# Altium PCB PCB1.PcbDoc (continued)
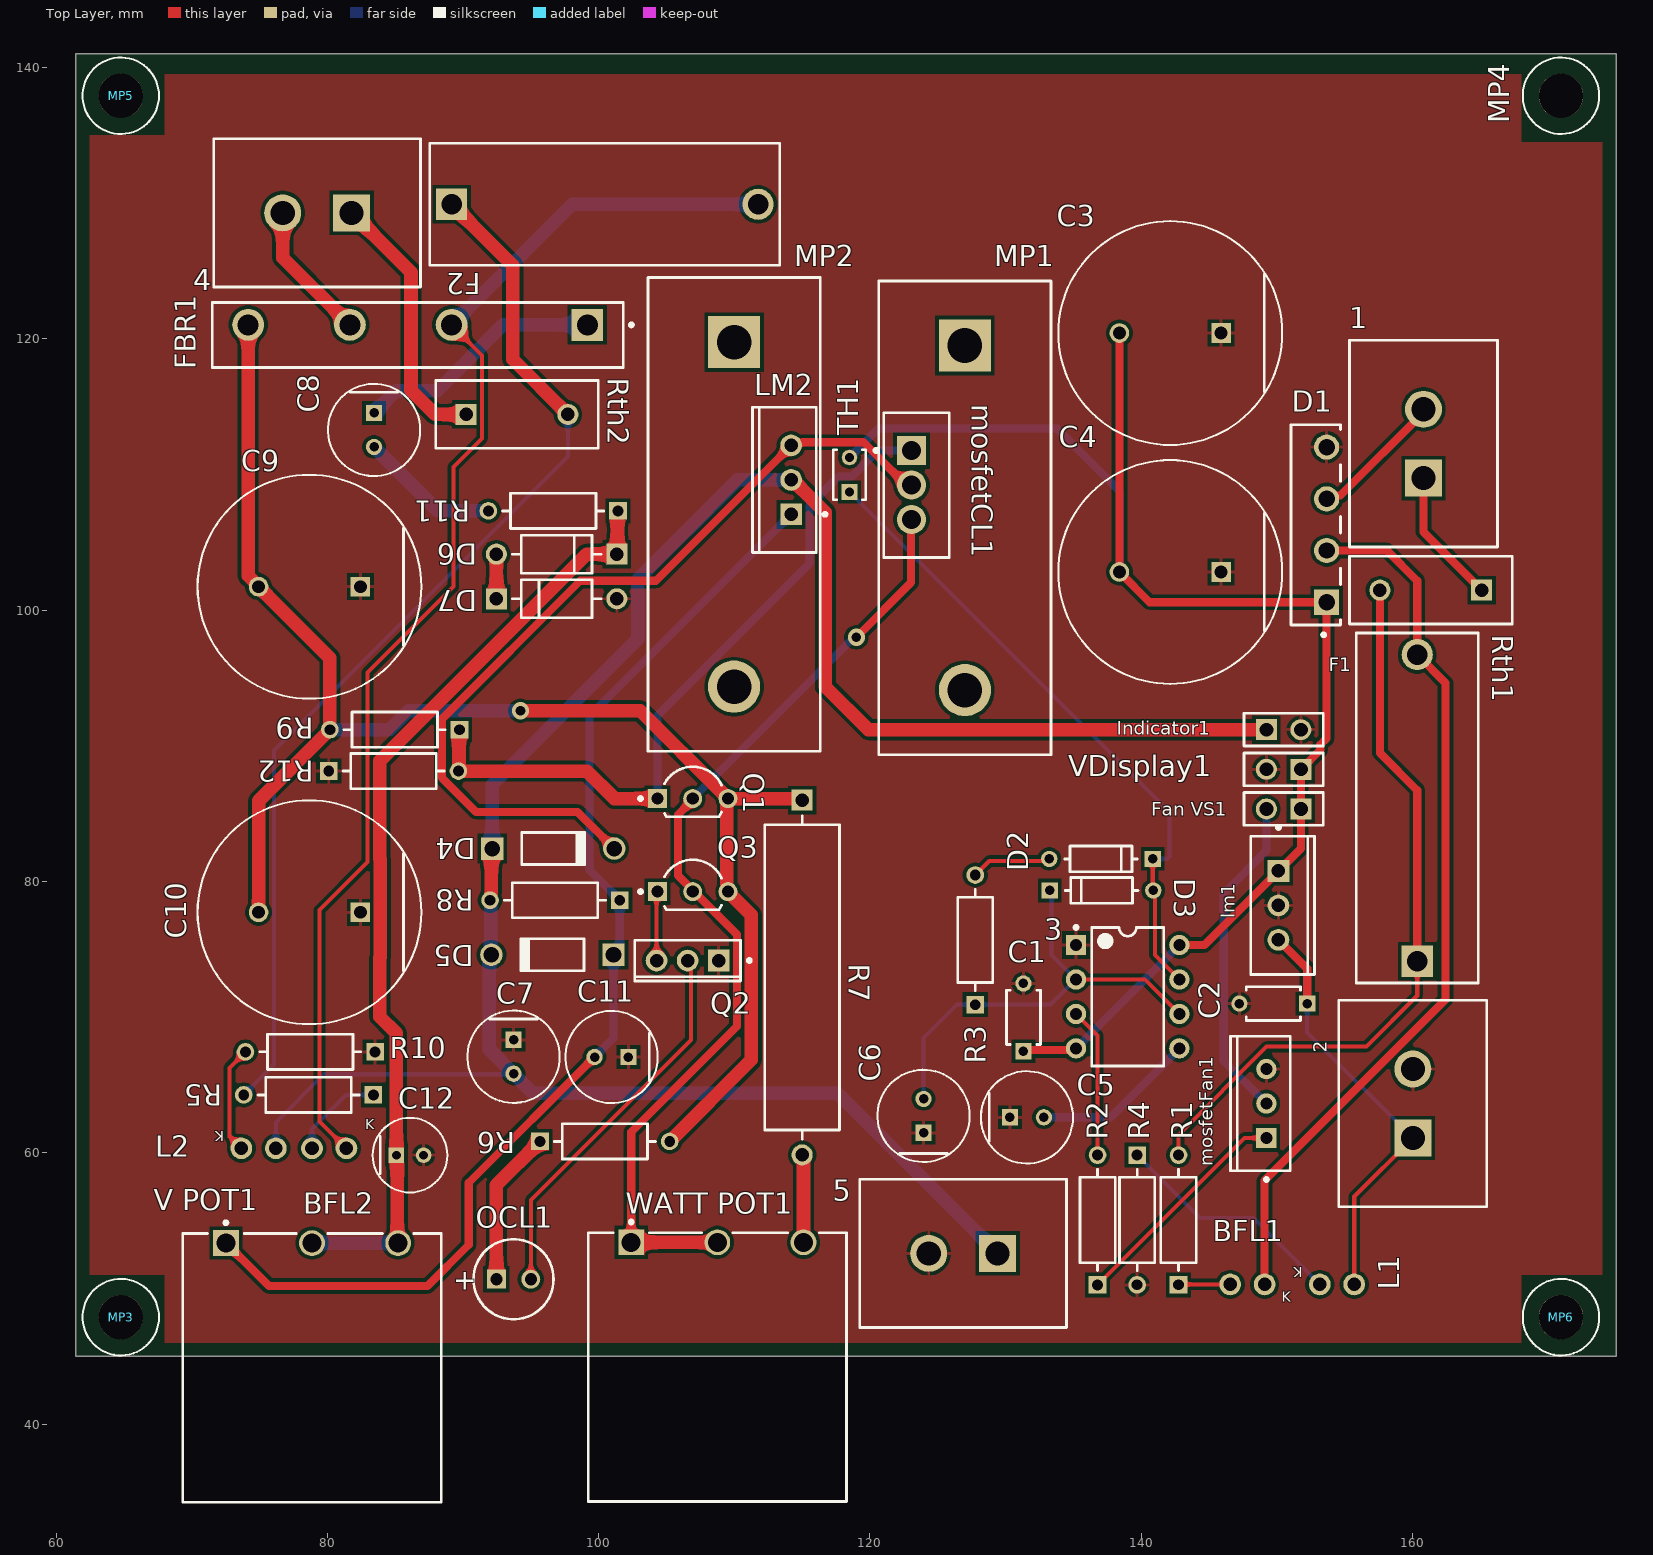
[diagram p0: Top Layer view]
## Part data
1 2 4 5: library part CMP-03369-000078-1, "CONN HEADER VERT 2POS 5.08MM", Current Rating=12A, Manufacturer="TE Connectivity", Temperature="-55°C to +105°C", Temperature Range High=+105°C, Temperature Range Low=-55°C, Voltage Rating=250V, Automotive=No, Category=Conn, ComponentLink2Description=Datasheet, ComponentLink2URL=https://www.te.com/usa-en/product-350539-1.html?te_bu=Cor&te_type=other&te_campaign=oct_glo_cor-oct-global-oth-prtnr-fy19-oct-octo-buy-bom_sma-298_2&elqCampaignId=35216, Conn Gender=Male, Conn Orientation=Vertical, Contact Material=Gold,Nickel, Device Class L1=Connectors, Device Class L2="Headers and Wire Housings", Device Class L3=unset, Digikey Description="CONN HEADER VERT 2POS 5.08MM", Height=0.41inch, Lead Free=Yes, Manufacturer Part Number=350539-1, Mouser Description="Pin & Socket Connectors CONN PCM 2 POS TIN", Number of Contacts=2, Number of Rows=1, Octopart=https://octopart.com/350539-1-te+connectivity-46510628, Package=350539-1, Pitch=5.08mm, RoHS=TRUE, Standoff Height=0.025inch
3: library part CMP-2000-04954-1, "Precision Timer, 4.5 to 16 V, 0 to 70 degC, 8-Pin DIP, Pb-Free, Tube", Manufacturer=TexasInstruments, Maximum High Level Output Current=-200mA, Maximum Low Level Output Current=200mA, Operating Supply Voltage=5, Package=8PDIP, Package Description="8-Pin Double In-line Package, Body 9.59 x 6.35 mm, Pitch 2.54 mm", Package Reference=P8, Category=Timer, Datasheet URL=http://www.ti.com/general/docs/lit/getliterature.tsp?genericPartNumber=NE555&fileType=pdf, Datasheet Version="Rev. I, 09/2014", Manufacturer URL=http://www.ti.com/, Number of Internal Timers=1, Package URL=http://www.ti.com/lit/ml/mpdi001b/mpdi001b.pdf, Packaging=Rail/Tube, Rad Hard=No, Type=Standard
BFL1 BFL2: library part CMP-1488-00005-1, "THT LED round mono-color color lens, WL-TMRW, Super Red", Emitting Color="Super Red", Manufacturer="Wuerth Elektronik", PartNumber=151031SS04000, ComponentLink1Description="Manufacturer URL", ComponentLink1URL=http://www.we-online.com, ComponentLink2Description=Datasheet, ComponentLink2URL=http://katalog.we-online.de/pbs/datasheet/7448042001.pdfhttp://katalog.we-online.de/pbs/datasheet/7448042001.pdfhttp://katalog.we-online.de/pbs/datasheet/7448042001.pdfhttp://katalog.we-online.de/pbs/datasheet/151031SS04000.pdf, PackageReference="Type 3mm"
C1 C2: library part CMP-06035-051680-1, "Ceramic Capacitor 100nF ±10% 50V X7R Radial", Capacitance=100nF, Case/Package=Radial, Dielectric=X7R, Max Operating Temperature=125°C, Min Operating Temperature=-55°C, Package Quantity=2000, Resistor Type=Ceramic, Tolerance=10%, Voltage Rating=50V, Height=3.5mm, Height - Seated (Max)=0.236inch, Lead Diameter=0.5mm, Lead Free="Lead Free", Lead Pitch=0.197inch, Lead/Base Style=Kinked, Length=0.157inch, Mount="Through Hole", Packaging="Tape and Reel", Termination=Radial, Voltage Rating (DC)=50V, Width=3.5mm
C3 C4 C9 C10: library part CMP-33768-000005-1, "CAP ALUM 2200UF 20% 50V RADIAL", Case/Package=Radial, ESR (Equivalent Series Resistance)=20mR, Leakage Current=4uA, Max Operating Temperature=125°C, Min Operating Temperature=-40°C, Package Quantity=250, Ripple Current=3.72A, Tolerance=20%, Voltage=50V, Capacitance=2.2mF, Diameter=16mm, Height - Seated (Max)=1.634inch, Lead Diameter=0.8mm, Lead Free="Lead Free", Lead Pitch=7.5mm, Length=40mm, Life (Hours)=5000Hour, Mount="Through Hole", Number of Pins=40, Packaging=Bulk, Polarity=Polar, Radiation Hardening=No, Termination=Radial, Voltage Rating=50V, Voltage Rating (DC)=50V
C5 C6 C7 C8 C11: library part CMP-05427-002176-1, "CAP ALUM 1UF 20% 160V RADIAL", Capacitance=1uF, Case/Package=Radial, Max Operating Temperature=105°C, Min Operating Temperature=-25°C, Package Quantity=2000, Ripple Current=17mA, Tolerance=20%, Voltage Rating=160V, Diameter=6.3mm, Height=11.2mm, Height - Seated (Max)=0.48inch, Lead Pitch=2.5mm, Lead/Base Style=Straight, Length=11.2mm, Life (Hours)=2000Hour, Mount="Through Hole", Packaging="Ammo Pack", Radiation Hardening=No, RoHS Compliant=Yes, Series=NHG, Termination=Radial, Voltage Rating (DC)=160V
C12: library part CMP-05427-000663-1, "Aluminum Electrolytic Capacitors (Radial Lead Type) 33uF ±20% 10V", Capacitance=33uF, Case/Package=Radial, Inductance Tolerance=20%, Leakage Current=3.3uA, Max Operating Temperature=105°C, Min Operating Temperature=-55°C, Package Quantity=200, Ripple Current=50mA, Voltage=10V, Construction=RADIAL, Diameter=5mm, Height=7mm, Height - Seated (Max)=0.276inch, Lead Pitch=2mm, Length=7mm, Life (Hours)=1000Hour, Mount="Through Hole", Packaging=Bulk, Radiation Hardening=No, REACH SVHC="No SVHC", Ripple Current (AC)=50mA, RoHS Compliant=Yes, Series=GA, Termination=Radial, Tolerance=20%, Voltage Rating=10V, Voltage Rating (DC)=10V
D1: library part CMP-12791-000035-1, "BRIDGE RECT 1PHASE 600V 2A KBP", Capacitance=25pF, Forward Current=2A, Manufacturer="Diodes Inc.", Manufacturer Part Number=KBP206G, Max Junction Temp=+150°C, Max Repetitive Reverse Voltage=600V, Max Surge Forward Current=65A, Package=KBP, Peak Reverse Current=5uA, Temperature="-65°C to +150°C", Temperature Range Low=-65°C, Automotive=No, Category=Diode, ComponentLink2Description=Datasheet, ComponentLink2URL=https://www.diodes.com/assets/Datasheets/ds21205.pdf, Device Class L1="Discrete Semiconductors", Device Class L2=Diodes, Device Class L3="Rectifier Diodes", Digikey Description="BRIDGE RECT 1PHASE 600V 2A KBP", Footprint Url=https://www.diodes.com/assets/Package-Files/KBP.pdf, Height=12.8mm, Lead Free=Yes, Mouser Description="Bridge Rectifiers 2.0A 600V", Octopart=https://octopart.com/kbp206g-diodes+inc.-330175, Reverse Voltage=600V, RoHS=TRUE, Standoff Height=1.8mm, Temperature Range High=+150°C
D2 D3: library part CMP-07163-000046-1, "DIODE GEN PURP 100V 200MA DO35", Average Rectified Current=200mA, Capacitance=4pF, Case/Package=DO-35, Current=4A, Forward Current=300mA, Forward Voltage=1V, Max Forward Surge Current (Ifsm)=1A, Max Operating Temperature=175°C, Max Power Dissipation=500mW, Max Repetitive Reverse Voltage (Vrrm)=100V, Max Reverse Current=5uA, Min Operating Temperature=-65°C, Package Quantity=2000, Contact Plating=Tin, Current Rating=200mA, Diameter=1.91mm, Element Configuration=Single, Height=4.56mm, Lead Free="Lead Free", Length=4.56mm, Max Reverse Voltage (DC)=100V, Max Surge Current=4A, Mount="Through Hole", Number of Pins=2, Output Current=200mA, Outside Diameter=1.85mm, Packaging=Bulk, Peak Non-Repetitive Surge Current=4A, Polarity=Standard, Power Dissipation=500mW, Radiation Hardening=No, REACH SVHC="No SVHC", Recovery Time=4ns, Reverse Recovery Time=4ns, Reverse Voltage=100V, Series=-, Voltage=100V, Voltage Rating (DC)=100V, Weight=0.01lb, Width=1.91mm
D4 D5: library part CMP-0639-00002-2, "1.0 A Rectifier, 15 pF, 100 V, -65 to 150 degC, 2-Pin DO-41 Plastic, RoHS, Tape and Reel", Manufacturer="Diodes Inc", Max. Average Rectified Current IO (A)=1, Operating Temperature Range (degC)="-65 to 150", ComponentLink1Description="Manufacturer URL", ComponentLink1URL=http://diodes.com/, ComponentLink2Description=Datasheet, ComponentLink2URL=http://diodes.com/datasheets/ds28002.pdf, CT (pF)=15, DatasheetVersion="Rev. 8-2", Max. IFSM (A)=30, Max. IR (uA)=5, Mounting Technology="Through Hole", PackageDescription="2-Pin Axial Lead, Body 4.635 x 2.36 mm, Lead Spread 25.4 mm", PackageReference=DO-41-P-2, Packing="Tape and Reel", PartNumber=1N4002-T, RoHS=TRUE, VF (V)=1, VRRM (V)=100
D6 D7: library part CMP-123542-000001-1, "Rectifier diode 1000 V 1 A DO-41, ,", Capacitance=15pF, Forward Current=1A, Manufacturer=Diotec, Max Junction Temp=+175°C, Max Repetitive Reverse Voltage=1000V, Max Surge Forward Current=27A, Peak Reverse Current=5uA, Temperature="-50°C to +175°C", Temperature Range Low=-50°C, Automotive=No, Category=Diode, ComponentLink2Description=Datasheet, ComponentLink2URL=https://datasheet.octopart.com/1N4007-Diotec-datasheet-62346875.pdf, Device Class L1="Discrete Semiconductors", Device Class L2=Diodes, Device Class L3="Rectifier Diodes", Height=2.8mm, Ipc Land Pattern Name=DIOAD888W100L520D280, Lead Free=Yes, Manufacturer Part Number=1N4007, Octopart=https://octopart.com/1n4007-diotec-4040411, Package=1N4007, Reverse Voltage=1000V, RoHS=TRUE, Temperature Range High=+175°C
F1 F2: library part CMP-08604-000020-1, "FUSE BLOCK CART 250V 6.3A PCB", Fuse Current=6.3A, Manufacturer="Littelfuse Inc", Package=0, Voltage Rating Ac=250V, Automotive=No, Category=Fuse, ComponentLink2Description=Datasheet, ComponentLink2URL=https://www.littelfuse.com/~/media/electronics/datasheets/fuse_blocks/littelfuse_fuse_block_646_datasheet.pdf.pdf, Conn Orientation=Horizontal, Device Class L1="Circuit Protection", Device Class L2="Fuse Holders", Device Class L3=unset, Digikey Description="FUSE BLOCK CART 250V 6.3A PCB", Height=12mm, Lead Free=Yes, Manufacturer Part Number=64600001223, Mouser Description="Fuse Holder Screw Mount Bulk", Number Of Fuses=1, Octopart=https://octopart.com/64600001223-littelfuse-39645661, RoHS=TRUE, Voltage Rating Dc=250V
"Fan VS1" VDisplay1: library part CMP-1023-00275-1, "SQ Post Socket, Through-hole, Vertical, -55 to 125 degC, 2.54 mm Pitch, 2-Pin, Female, RoHS", Manufacturer=Samtec, Temperature Range="-55 to 125 degC", ComponentLink1Description="Manufacturer URL", ComponentLink1URL=http://www.samtec.com, ComponentLink2Description=Datasheet, ComponentLink2URL=http://www.samtec.com/documents/webfiles/pdf/SSQ_TH.PDF, ComponentLink3Description="Package Specification", ComponentLink3URL=http://www.samtec.com/documents/webfiles/cpdf/SSQ-1XX-XX-XXX-X-XX-XXX-XX-X-MKT.pdf, DatasheetVersion=F-214, Mounting Technology=Through-hole, Orientation=Vertical, PackageDescription="Assembly, Socket Strip .025[0.64] SQ Tail", PackageReference=SSQ-102-01-X-S, PackageVersion="BD, 6/1987", PartNumber=SSQ-102-01-G-S, Pitch="2.54 mm", RoHS=True
FBR1: library part CMP-02540-000115-1, "BRIDGE RECT 1P 800V 3.5A GSIB-5S", Average Rectified Current=3.5A, Case/Package=SIP, Current=25A, Current Rating=20A, Forward Voltage=1V, Max Forward Surge Current (Ifsm)=350A, Max Operating Temperature=150°C, Max Repetitive Reverse Voltage (Vrrm)=800V, Max Reverse Current=10uA, Min Operating Temperature=-55°C, Package Quantity=20, Voltage=200V, Element Configuration=Single, Forward Current=3.5A, Height=20mm, Lead Free="Lead Free", Length=30mm, Max Reverse Leakage Current=10uA, Max Surge Current=350A, Mount="Through Hole", Number of Elements=1, Number of Pins=4, Packaging=Rail/Tube, Peak Non-Repetitive Surge Current=350A, Radiation Hardening=No, RoHS Compliant=Yes, Series=-, Width=4.6mm
Indicator1: library part CMP-1023-00275-1, "SQ Post Socket, Through-hole, Vertical, -55 to 125 degC, 2.54 mm Pitch, 2-Pin, Female, RoHS", Manufacturer=Samtec, PartNumber=SSQ-102-01-G-S, Temperature Range="-55 to 125 degC", ComponentLink1Description="Manufacturer URL", ComponentLink1URL=http://www.samtec.com, ComponentLink2Description=Datasheet, ComponentLink2URL=http://www.samtec.com/documents/webfiles/pdf/SSQ_TH.PDF, ComponentLink3Description="Package Specification", ComponentLink3URL=http://www.samtec.com/documents/webfiles/cpdf/SSQ-1XX-XX-XXX-X-XX-XXX-XX-X-MKT.pdf, DatasheetVersion=F-214, Mounting Technology=Through-hole, Orientation=Vertical, PackageDescription="Assembly, Socket Strip .025[0.64] SQ Tail", PackageReference=SSQ-102-01-X-S, PackageVersion="BD, 6/1987", Pitch="2.54 mm", RoHS=True
L1 L2: library part CMP-1488-00004-1, "THT LED round mono-color color lens, WL-TMRC , Bright Green", Emitting Color="Bright Green", Manufacturer="Wuerth Elektronik", PartNumber=151031VS06000, ComponentLink1Description="Manufacturer URL", ComponentLink1URL=http://www.we-online.com, ComponentLink2Description=Datasheet, ComponentLink2URL=http://katalog.we-online.de/pbs/datasheet/7448042001.pdfhttp://katalog.we-online.de/pbs/datasheet/7448042001.pdfhttp://katalog.we-online.de/pbs/datasheet/7448042001.pdfhttp://katalog.we-online.de/pbs/datasheet/151031VS06000.pdf, PackageReference="Type 3mm"
lm1: library part CMP-2000-04937-1, "Positive Voltage Regulator, 5 V, 1 A, 0 to 125 degC, 3-Pin TO-220, RoHS, Tube", Dropout Voltage Measurement Current=1A, Manufacturer=Fairchild, Maximum Input Voltage=35V, Maximum Operating Temperature=+125degC, Minimum Operating Temperature=0degC, Output Voltage=5V, Package Description="3-Pin Through Hole Device, Body 10 x 4.5 mm, Pitch 2.54 mm", Package Reference=TO-220, Quiescent Current=6mA, Typical Dropout Voltage @ Current=2V@1A, Datasheet URL=https://datasheet.ciiva.com/5816/1359194-5816420.pdf, Datasheet Version="Rev. 1.0.1, 05/2006", Dimensions=10.67x4.83x16.51mm, Height=16.51mm, Length=10.67mm, Line Regulation=50mV, Load Regulation=100mV, Manufacturer URL=https://www.fairchildsemi.com/, Maximum Output Current=1A, Mounting Type=ThroughHole, Number of Outputs=1, Output Type=Fixed, Package Type=TO-220, Package URL=https://www.fairchildsemi.com/package-drawings/TO/TO220B03.pdf, Pin Count=3, Polarity=Positive, Regulator Function=Linear, Series=LM78xx, Width=4.83mm
LM2: library part CMP-0062-02474-3, "5 Amp Adjustable Regulator, 3-pin TO-220, Pb-Free", Manufacturer="Texas Instruments", PackageTopMarking="NSUZXYTTE#*LM338T P+", PowerWise=N, ComponentLink1Description="Datasheet URL", ComponentLink1URL=http://www.ti.com/general/docs/lit/getliterature.tsp?genericPartNumber=LM338&fileType=pdf, CompType="LDO IC", PackageDescription="TO-220, Molded, 3 Lead, Straight", PackageReference=NDE0003A, PinCount=3, RoHS=Y
mosfetCL1: library part CMP-32901-001325-1, "MOSFET P-CH 100V 38A TO262", Case/Package=TO-262, Continuous Drain Current (ID)=38A, Drain to Source Breakdown Voltage=-100V, Drain to Source Resistance=60mR, Gate to Source Voltage (Vgs)=20V, Input Capacitance=2.78nF, Max Operating Temperature=150°C, Max Power Dissipation=3.1W, Min Operating Temperature=-55°C, Power Dissipation=170W, Threshold Voltage=4V, Drain to Source Voltage (Vdss)=-100V, Halogen Free="Halogen Free", Height=0.38inch, Lead Free="Contains Lead", Length=0.42inch, Max Dual Supply Voltage=-100V, Mount="Through Hole", Number of Pins=3, Packaging=Rail/Tube, Polarization=P, Rds On Max=60mR, Reach SVHC Compliant=Yes, RoHS Compliant=Yes, Series=HEXFET®, Turn-Off Delay Time=72ns, Turn-On Delay Time=14ns, Width=0.19inch
mosfetFan1: library part CMP-2000-04997-1, "HEXFET(R) Power N-Channel MOSFET, 55 V, 110 A, -55 to 117 degC, 3-Pin TO-220AB, RoHS, Rail/Tube", Manufacturer="International Rectifier", Maximum Continuous Drain Current=110A, Maximum Drain Source Resistance=0.008Ω, Maximum Drain Source Voltage=55V, Maximum Gate Source Voltage=±20V, Maximum Gate Threshold Voltage=4V, Maximum Operating Temperature=+175degC, Maximum Power Dissipation=200W, Minimum Gate Threshold Voltage=2V, Minimum Operating Temperature=-55degC, Package Description="3-Pin Plastic (Green) Transistor Single Outline Package, 9.9 x 9.2 mm Body, 2.54 mm Pitch", Package Reference=PG-TO-220AB, Package Type=TO-220AB, Package Version=Feb-04, Typical Input Capacitance @ Vds=3247pF@25V, Category=PowerMOSFET, Channel Mode=Enhancement, Channel Type=N, Datasheet URL=http://datasheet.octopart.com/IRF3205PBF-International-Rectifier-datasheet-10898897.pdf, Datasheet Version=Jul-10, Dimensions=10.54x4.69x8.77mm, Height=8.77mm, Length=10.54mm, Manufacturer URL=http://internationalrectifier.com/, Mounting Type=ThroughHole, Number of Elements per Chip=1, Package URL=http://www.infineon.com/dgdl/bts110.pdf?folderId=db3a304412b407950112b43583c16310&fileId=db3a304412b407950112b43584326311&sId=db3a30443e3c704d013e4eb6657a2604, Pin Count=3, Transistor Configuration=Single, Transistor Material=Si, Typical Gate Charge @ Vgs=146nC@10V, Typical Turn-Off Delay Time=50ns, Typical Turn-On Delay Time=14ns, Width=4.69mm
MP1 MP2: library part CMP-69313-000004-1, "BOARD LEVEL HEAT SINK", Case/Package=TO-218, Color=Black, Natural Thermal Resistance=13.4°C/W, Package Quantity=250, Thermal Resistance @ Forced Air Flow (100 LFM)=4°C/W, Depth=12.7mm, Finish=Anodized, Height=25.4mm, Height Off Base=0.5inch, Lead Free="Lead Free", Length=34.92mm, Material=Aluminium, Mount=Bolt, RoHS Compliant=Yes, Shape=Fins, Type=Passive, Width=1.375inch
MP3 MP4 MP5 MP6: library part CMP-19664-000002-1, "MACHINE SCREW PAN PHILLIPS 4-40", Package Quantity=100, Head Height=0.065inch, Lead Free="Lead Free", Length=0.44inch, Material="Stainless Steel", Mount=Screw, Outside Diameter=0.212inch, Series=-, Thread Size=#4-40
OCL1: library part CMP-1757-00003-1, "The Super Bright Yellow Device, 2 V, -40 to 85 degC, 2-Pin THD, RoHS, Tape and Reel", Case\Package=Axial, Max Operating Temperature="155 degC", Min Operating Temperature="-55 degC", Package Quantity=200, Power Rating="250 mW", Resistance="22.1 kohm", Tolerance=1%, Voltage Rating="250 V", ComponentLink1Description=Datasheet, ComponentLink1URL=http://www.kingbrightusa.com/images/catalog/SPEC/WP7113SYD.pdf, DatasheetVersion="Rev. 7B, 01/2015", Length="0.248 inch", Mount="Through Hole", PackageDescription="2-Pin Through Hole Device, Dia 5.9 mm, Body Length 8.6 mm", PackageReference=WP7113SYD, Packaging=Bulk, RoHSCompliant=true
Q1: library part CMP-1048-01520-1, "Amplifier Transistor, PNP Silicon, 3-Pin TO-92, Pb-Free, Tape and Reel BC557BRL1G", Manufacturer="On Semiconductor", PartNumber=BC557BRL1G, ComponentLink1Description="Manufacturer URL", ComponentLink1URL=http://www.onsemi.com/, ComponentLink2Description=Datasheet, ComponentLink2URL=http://www.onsemi.com/pub_link/Collateral/BC556B-D.PDF, ComponentLink3Description="Package Specification", ComponentLink3URL=http://www.onsemi.com/pub_link/Collateral/MAC97-D.PDF, DatasheetVersion="Rev. 3", IC Continuous (A)=-0.1, Mounting Technology="Through Hole", PackageDescription="3-Pin Transistor Outline, Body 4.825 x 3.685 mm, Pitch 1.27 mm", PackageReference=TO-92-3-29-11_AM_BL, PackageVersion="Rev. AM", Packing="Tape and Reel", Polarity=PNP, RoHS=TRUE
Q2: library part CMP-1048-01247-1, "Medium-Power Plastic NPN Silicon Transistor, 3-Pin TO-225, Pb-Free, Bulk Box", Manufacturer="On Semiconductor", ComponentLink1Description="Manufacturer URL", ComponentLink1URL=http://www.onsemi.com/, ComponentLink2Description=Datasheet, ComponentLink2URL=http://www.onsemi.com/pub_link/Collateral/2N4921-D.PDF, ComponentLink3Description="Package Specification", ComponentLink3URL=http://www.onsemi.com/pub_link/Collateral/77-09.PDF, DatasheetVersion="Rev. 14", fT Min (MHz)=3, IC Continuous (A)=1, Mounting Technology="Through Hole", PackageDescription="3-Pin Flange Mount, Vertical Straight Lead, Body 7.6 x 2.7 mm, Pitch 2.29 mm", PackageReference=TO-225-3-77-09, PackageVersion="Rev. AC, 12/2013", Packing="Bulk Box", PartNumber=2N4923G, Polarity=NPN, RoHS=TRUE
Q3: library part CMP-1048-01520-1, "Amplifier Transistor, PNP Silicon, 3-Pin TO-92, Pb-Free, Tape and Reel", Manufacturer="On Semiconductor", PartNumber=BC557BRL1G, ComponentLink1Description="Manufacturer URL", ComponentLink1URL=http://www.onsemi.com/, ComponentLink2Description=Datasheet, ComponentLink2URL=http://www.onsemi.com/pub_link/Collateral/BC556B-D.PDF, ComponentLink3Description="Package Specification", ComponentLink3URL=http://www.onsemi.com/pub_link/Collateral/MAC97-D.PDF, DatasheetVersion="Rev. 3", IC Continuous (A)=-0.1, Mounting Technology="Through Hole", PackageDescription="3-Pin Transistor Outline, Body 4.825 x 3.685 mm, Pitch 1.27 mm", PackageReference=TO-92-3-29-11_AM_BL, PackageVersion="Rev. AM", Packing="Tape and Reel", Polarity=PNP, RoHS=TRUE
R1 R2 R3 R4 R5 R6 R8 R9 R10 R11 R12: library part CMP-26528-000003-1, "RES 7.5K OHM 1/4W 5% AXIAL", Case/Package=Axial, Max Operating Temperature=155°C, Max Power Dissipation=250mW, Min Operating Temperature=-55°C, Resistance=7.5kR, Resistor Type="Carbon Film", Temperature Coefficient=-400ppm/°C, Tolerance=5%, Contact Plating=Tin, Diameter=2.3mm, Features="Flame Retardant Coating", Lead Free="Lead Free", Length=0.256inch, Mount="Through Hole", Number of Terminations=2, Packaging="Tape and Reel", Power Rating=250mW, Radiation Hardening=No, RoHS Compliant=Yes, Series=CF
R7: library part CMP-02408-000023-1, "RES 560 OHM 3W 1% AXIAL", Case/Package=Axial, Max Operating Temperature=275°C, Max Power Dissipation=3W, Min Operating Temperature=-55°C, Package Quantity=1, Resistance=560R, Resistor Type=Wirewound, Temperature Coefficient=100ppm/°C, Tolerance=1%, Contact Plating=Tin, Diameter=5.5mm, Features="Flame Retardant Coating", Length=0.65inch, Mount="Through Hole", Number of Terminations=2, Packaging="Cut Tape", Power Rating=3W, Radiation Hardening=No, RoHS Compliant=Yes, Series=PAC
Rth1 Rth2: library part CMP-06022-000035-1, "ICL 5.1 OHM 15% 2.5A 10MM", Case/Package=Radial, Current Rating=2.5A, Max Operating Temperature=160°C, Min Operating Temperature=-20°C, Package Quantity=100, Resistance=5.1R, Tolerance=15%, Voltage=264V, Depth=5mm, Diameter=0.394inch, Lead Diameter=0.8mm, Lead Free="Lead Free", Lead Pitch=0.295inch, Mount="Through Hole", Number of Pins=2, Packaging=Bulk, Radiation Hardening=No, Thickness=5mm, Width=5mm
TH1: library part CMP-2000-05824-2, "Thermistor NTC 10KOhm 1% 2-Pin", Max Operating Temperature=110°C, Min Operating Temperature=-50°C, Resistance=10kR, Tolerance=1%, Height=2.4mm, Lead Pitch=2.54mm, Length=17mm, Number of Pins=2, Packaging=Bulk, RoHS Compliant=Yes, Series=AT, Termination=Radial, Width=3.7mm
"V POT1" "WATT POT1": library part CMP-2000-05079-1, "Diameter Panel Control, 10 KOhm, +/- 10%, 2 W, -1 to 125 degC, 3-Pin THD, RoHS, Bulk", Manufacturer=Bourns, Power (Watts)=2W, Resistance (Ohms)=10k, Resistive Material=Cermet, Standard Package=45, Temperature Coefficient=±150ppm/degC, Tolerance=±10%, Actuator Diameter="0.250\"(6.35mm)", Actuator Length="0.875\"(22.23mm)", Actuator Type=Slotted, Associated Product="36-8560-ND / -KNOBINSTRUMW/DIALRND.9\"DIA / 36-8555-ND / -KNOBINSTRUMSKIRTEDRND.7\"DIA / 36-8556-ND / -KNOBINSTRUMSKIRTEDRND.9\"DIA / 36-8565-ND / -KNOBINSTRUMDBLBARRND.7\"DIA / 36-8566-ND / -KNOBINSTRUMDBLBARRND.9\"DIA / 36-8568-ND / -KNOBINSTRUMSGLBARRND.7\"DIA / 36-8569-ND / -KNOBINSTRUMSGLBARRND.9\"DIA / 36-8559-ND / -KNOBINSTRUMW/DIALRND.7\"DIA / 226-1006-ND / -KNOBBLKGLOSS.75\"DIA.250\"SHAFT / 226-1007-ND / -KNOBBLKGLOSS.925\"DIA.250\"SHAFT / 226-1011-ND / -KNOBBLKGLOS", Built in Switch=None, Bushing Thread=3/8-32, Catalog Drawings="3852SeriesSide1 /  / 3852SeriesSide2", Category=Potentiometers,VariableResistors, Datasheet URL=https://datasheet.ciiva.com/11831/0900766b80f93b4b-11831016.pdf, Datasheet Version=Sep-14, Family=RotaryPotentiometers,Rheostats, Manufacturer URL=http://www.bourns.com/, Mounting Type=PanelMount, Number of Gangs=1, Number of Turns=1, Online Catalog=3852and3856Series, Other Names=3852A282103AL, Packaging=Bulk, PCN Design/Specification=PBTResinJun/2011, PCN Other=MultipleChanges01/Dec/2012, RoHS Information=3852A-LMaterialDeclaration, Rotation=280deg, Series=3852, Taper=Linear, Termination Style=SolderLug

## Via types
v1: diameter 1.27, hole 0.711, Top Layer to Bottom Layer, 2 vias

## Nets (pads, with @x,y where several pads share a name; then routed paths per layer and width w, separated by ;. In a path a pad name is that pad's centre, name@x,y a point inside that pad or via, vN(x,y) a via of type N, cw(c..) or ccw(c..) an arc to the next point about the centre after c; other vN are vias at no path point)
GND: 2.2 3.1 5.2 C1.2 C2.2 C3.1 C4.1 C5.1 C6.1 C7.1 C9.1 C10.1 C11.1 C12.2 D1.4 D7.2 Indicator1.2 lm1.2 mosfetFan1.3 Q2.1 R4.2 R10.1 R12.1 VDisplay1.2
Net1_1: 1.1 Rth1.1 | length 10
  Top Layer w0.6: 1.1 160.808,105.762 Rth1.1
Net1_2: 1.2 D1.3 | length 10
  Top Layer w0.6: D1.3 153.909,108.443 154.671,108.443 160.808,114.58 1.2
Net2_1: 2.1 C2.1 L1.2 lm1.3 | length 31.3
  Top Layer w0.3: L1.2 155.702,56.769 2.1
  Top Layer w0.6: lm1.3 152.233,73.573 C2.1
  Bottom Layer w0.3: C2.1 152.233,68.874 2.1
Net3_2: 3.2 3.6 C6.2 D3.1 R3.1 | length 33.6
  Top Layer w0.3: 3.2 140.272,72.771 3.6
  Bottom Layer w0.3: C6.2 123.952,68.453 126.411,70.912 R3.1 133.296,70.912 135.155,72.771 3.2 133.387,74.576 133.387,79.209 D3.1
Net3_3: 3.3 R2.2 | length 11.1
  Top Layer w0.3: 3.3 136.779,68.644 R2.2
Net3_5: 3.5 C5.2 | length 12.1
  Bottom Layer w0.6: C5.2 137.732,62.611 3.5
Net3_7: 3.7 D2.1 D3.2 TH1.1 | length 47.6
  Top Layer w0.3: D2.1 140.846,79.376 141.013,79.209 141.013,74.57 3.7
  Bottom Layer w0.3: TH1.1 142.072,85.131 142.072,81.837 141.896,81.661 D2.1
Net4_1: 4.1 Rth2.1 | length 19.7
  Top Layer w1: 4.1 86.166,124.908 86.166,116.216 87.955,114.427 Rth2.1
Net4_2: 4.2 FBR1.3 | length 10.3
  Top Layer w1: 4.2 76.708,125.984 FBR1.3
Net5_1: 5.1 C7.2 D4.1 D5.2 Indicator1.1 L2.2 LM2.2 R8.2 | length 168.3
  Top Layer w1: R8.2 92.051,78.67 92.051,79.097 92.087,79.133 92.087,82.098 92.147,82.158 D4.1 ; LM2.2 114.314,109.601 116.713,107.202 116.713,94.361 119.888,91.186 Indicator1.1
  Bottom Layer w0.3: L2.2 76.2,62.23 79.758,65.788 C7.2@93.688,65.788
  Bottom Layer w1: R8.2 92.044,78.563 92.044,74.642 D5.2 91.97,74.468 91.97,74.008 91.948,73.987 91.948,67.604 C7.2 C7.2@93.688,65.788 ; D4.1 92.147,87.122 102.87,97.845 102.87,102.235 110.236,109.601 LM2.2 ; C7.2@93.764,65.788 95.163,64.389 117.602,64.389 5.1
NetBFL1_1: BFL1.1 D1.2 F1.2 | length 65.9
  Top Layer w0.6: BFL1.1 149.098,57.957 162.433,71.292 162.433,94.632 F1.2 160.346,102.163 158.115,104.394 D1.2
NetBFL1_2: BFL1.2 R1.1 | length 3.8
  Top Layer w0.3: R1.1 142.778,50.292 BFL1.2
NetBFL2_1: BFL2.1 F2.2 FBR1.2 | length 93.7
  Top Layer w0.3: BFL2.1 79.423,62.309 79.423,77.893 82.961,81.431 82.961,95.407 89.289,101.735 89.289,110.546 91.409,112.666 91.409,118.783 FBR1.2
  Bottom Layer w1: FBR1.2 98.051,129.921 F2.2
NetBFL2_2: BFL2.2 R5.1 | length 7
  Bottom Layer w0.3: BFL2.2 78.867,61.754 81.375,64.262 R5.1
NetC8_1: C8.1 FBR1.1 | length 18.4
  Bottom Layer w1: C8.1 85.084,116.179 88.102,116.179 92.954,121.031 FBR1.1
NetC8_2: C8.2 R11.2 | length 10.4
  Bottom Layer w1: C8.2 88.158,107.315 R11.2
NetC9_2: C9.2 C10.2 FBR1.4 Q1.3 Q3.3 R6.2 R7.1 R9.2 | length 114.5
  Top Layer w1: FBR1.4 74.161,102.538 74.93,101.769 C9.2 80.183,96.474 R9.2 74.93,85.933 C10.2 ; v1(94.234,92.583) 103.057,92.583 109.052,86.588 Q1.3 114.894,86.106 R7.1 ; R6.2 111.255,66.851 111.255,77.527 109.611,79.171 109.457,79.325 Q1.3@109.457,85.998
  Bottom Layer w1: R9.2 84.582,91.186 85.986,92.59 94.227,92.59 v1(94.234,92.583)
NetC11_2: "V POT1.1" C11.2 D5.1 LM2.1 R8.1 | length 86
  Top Layer w0.6: 72.517,53.34 75.692,50.165 87.376,50.165 90.424,53.213 90.424,57.785 C11.2
  Bottom Layer w0.6: C11.2 101.094,68.455 D5.1 101.554,75.052 R8.1 99.327,80.841 99.327,92.2 LM2.1
NetD2_2: D2.2 R3.2 | length 6
  Top Layer w0.3: R3.2 128.794,81.504 133.063,81.504 D2.2
NetD4_2: D4.2 LM2.3 mosfetCL1.2 | length 63.6
  Top Layer w0.6: D4.2 98.438,85.132 90.966,85.132 88.458,87.639 88.458,91.984 98.641,102.167 104.213,102.167 114.379,112.332 114.99,112.332 115.039,112.381 119.509,112.381 122.67,109.22 mosfetCL1.2
NetD6_2: D6.2 D7.1 | length 3.3
  Top Layer w1: D7.1 D6.2
NetF1_1: F1.1 R1.2 Rth1.2 | length 54.4
  Top Layer w0.3: R1.2 142.748,61.322 149.244,67.818 156.591,67.818 160.346,71.573 F1.1
  Top Layer w0.6: Rth1.2 157.597,89.467 160.346,86.718 F1.1
NetF2_1: F2.1 R5.2 Rth2.2 | length 79.1
  Top Layer w1: F2.1 93.666,125.412 93.666,118.491 Rth2.2
  Bottom Layer w0.3: R5.2 76.059,66.488 76.059,89.648 97.73,111.319 Rth2.2
"NetFan VS1_2": "Fan VS1.2" mosfetFan1.2 | length 24.3
  Bottom Layer w0.6: mosfetFan1.2 146.079,66.773 146.079,79.12 149.225,82.266 149.225,85.344
NetL1_1: L1.1 R4.1 | length 17.4
  Bottom Layer w0.3: R4.1 144.336,55.181 148.273,55.181 L1.1
NetL2_1: L2.1 R10.2 | length 8
  Top Layer w0.3: L2.1 73.66,60.331 72.779,61.212 72.779,66.256 R10.2
NetmosfetCL1_1: mosfetCL1.1 Q1.1 R9.1 R12.2 | length 54
  Top Layer w1: R9.1 89.703,91.145 89.703,88.179 R12.2 99.127,88.138 101.159,86.106 Q1.1
  Bottom Layer w0.6: Q1.1 104.334,92.219 115.541,103.426 115.541,107.696 117.687,109.841 118.677,109.841 120.596,111.76 mosfetCL1.1
NetmosfetCL1_3: "WATT POT1.1" "WATT POT1.2" mosfetCL1.3 Q1.2 Q3.2 | length 71.9
  Top Layer w0.6: 102.4,53.394 102.4,61.521 110.201,69.323 110.201,76.1 105.862,80.439 105.862,84.915 106.934,85.987 Q1.2 ; v1(119,98) 123.031,102.031 123.031,106.648 mosfetCL1.3
  Top Layer w1: 102.4,53.394 108.75,53.394
  Bottom Layer w0.6: Q1.2 118.828,98 v1(119,98)
NetmosfetFan1_1: mosfetFan1.1 R2.1 | length 16.9
  Top Layer w0.3: R2.1 147.605,61.087 mosfetFan1.1
NetOCL1_1: OCL1.1 R6.1 | length 11.5
  Top Layer w1: OCL1.1 92.456,57.612 R6.1
NetOCL1_2: OCL1.2 Q2.2 | length 28.5
  Top Layer w0.3: OCL1.2 94.996,56.515 106.807,68.326 106.807,73.342 106.806,73.344 106.806,73.919 Q2.2
NetQ2_3: Q2.3 Q3.1 | length 5.1
  Top Layer w0.3: Q2.3 104.267,79.181 Q3.1
NetR7_2: "WATT POT1.3" R7.2 | length 6.5
  Top Layer w1: R7.2 115.1,59.74 115.1,53.394
Vcc: 3.4 3.8 "Fan VS1.1" C1.1 C3.2 C4.2 D1.1 lm1.1 TH1.2 VDisplay1.1 | length 108.5
  Top Layer w0.6: C1.1 131.425,67.584 135.085,67.584 3.4 ; C3.2 C4.2 140.619,100.584 D1.1 153.225,100.139 153.66,99.705 153.66,96.498 153.668,96.49 153.668,90.549 153.198,90.079 153.198,89.698 VDisplay1.1 151.765,85.344 151.765,82.423 lm1.1 144.653,75.311 3.8
  Bottom Layer w0.6: TH1.2 120.628,113.389 133.783,113.389 138.44,108.732 C4.2@138.44,102.815 ; 3.4 3.8
VEE: "V POT1.2" "V POT1.3" C12.1 D6.1 R11.1 | length 69.5
  Top Layer w1: 85.217,53.34 85.153,53.404 85.153,59.753 C12.1 85.09,68.808 83.865,70.033 83.865,74.375 83.909,74.419 83.909,81.629 83.865,81.673 83.865,88.882 99.109,104.126 D6.1 101.384,104.17 101.384,107.272 R11.1
  Bottom Layer w1: 78.867,53.34 85.217,53.34
pads on no net: MP1.1 MP1.2 MP2.1 MP2.2 MP3. MP4. MP5. MP6.

## Polygon pours and split planes (outlines as drawn)
GND on Top Layer "GND_L01_P001" (solid, pour order 1): 174,139.5 174,46 62.5,46 62.5,139.5
GND on Bottom Layer "GND_L02_P000" (solid, pour order 0): 62.5,139.5 174,139.5 174,46 62.5,46

## Other copper
Top Layer:
  pour cut-out: 62,140 68,140 68,135 62,135
  pour cut-out: 62,51 68,51 68,46 62,46
  pour cut-out: 168,139.5 174,139.5 174,134.5 168,134.5
  pour cut-out: 168,51 174,51 174,46 168,46
Bottom Layer:
  pour cut-out: 168,51 174,51 174,46 168,46
  pour cut-out: 168,139.5 174,139.5 174,134.5 168,134.5
  pour cut-out: 62,51 68,51 68,46 62,46
  pour cut-out: 62,135 62,140 68,140 68,135

## Text inside footprints (layer, text, board x,y; h text height)
BFL1: Top Overlay "K" at 150.368,49.022 h0.76; Mechanical 15 "K" at 150.368,49.022 h0.76
BFL2: Top Overlay "K" at 82.804,61.722 h0.76; Mechanical 15 "K" at 82.677,59.055 h0.76
L1: Top Overlay "K" at 151.892,51.562 h0.76 r180; Mechanical 15 "K" at 151.892,51.562 h0.76 r180
L2: Top Overlay "K" at 72.39,61.595 h0.76 r180; Mechanical 15 "K" at 72.39,61.595 h0.76 r180
OCL1: Top Overlay "+" at 89.281,49.911 h1.5